# KiCad board solderCurved.kicad_pcb (continued)
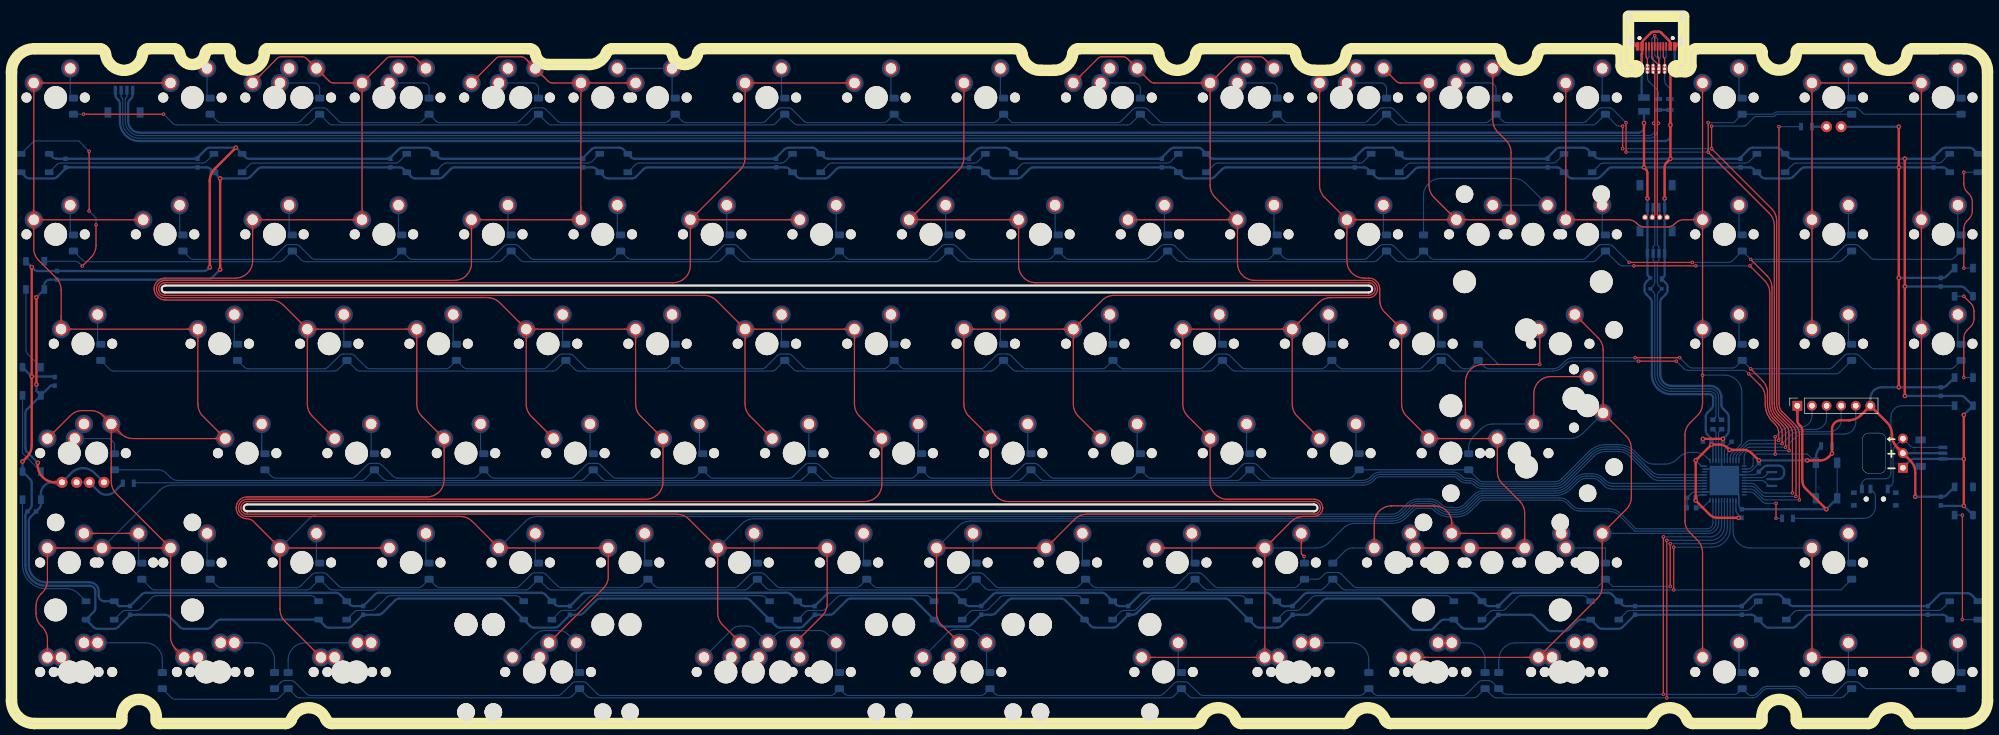
[diagram p0: board, top side]
## Copper pours and planes (outline as drawn; the poured copper is in the pictures) (continued)
Col7 on Top: 292,87.61 292.1,87.61 292.2,87.61 292.28,87.6 292.37,87.59 292.44,87.57 292.52,87.55 292.58,87.53 292.65,87.51 292.71,87.48 292.76,87.45 292.82,87.42 292.87,87.39 292.92,87.35 292.96,87.32 293.39,86.94 293.45,86.89 293.51,86.85 293.57,86.81 293.64,86.76 293.71,86.72 293.78,86.68 293.87,86.63 294.99,87.71 293.87,88.79 293.78,88.75 293.71,88.71 293.64,88.67 293.57,88.62 293.51,88.58 293.45,88.54 293.39,88.49 292.96,88.11 292.92,88.08 292.87,88.04 292.82,88.01 292.76,87.98 292.71,87.95 292.65,87.92 292.58,87.9 292.52,87.88 292.44,87.86 292.37,87.84 292.28,87.83 292.2,87.82 292.1,87.82 292,87.81
Col7 on Top: 294.29,13.9 294.29,13.8 294.28,13.71 294.27,13.62 294.26,13.54 294.24,13.46 294.23,13.39 294.21,13.32 294.18,13.26 294.15,13.2 294.13,13.14 294.09,13.09 294.06,13.04 294.03,12.99 293.99,12.94 293.61,12.51 293.57,12.46 293.52,12.4 293.48,12.33 293.44,12.27 293.39,12.2 293.35,12.12 293.31,12.04 294.39,10.91 295.47,12.04 295.43,12.12 295.39,12.2 295.34,12.27 295.3,12.33 295.25,12.4 295.21,12.46 295.17,12.51 294.79,12.94 294.75,12.99 294.72,13.04 294.68,13.09 294.65,13.14 294.62,13.2 294.6,13.26 294.57,13.32 294.55,13.39 294.53,13.46 294.52,13.54 294.51,13.62 294.5,13.71 294.49,13.8 294.49,13.9
Col7 on Top: 294.49,66.27 294.49,66.38 294.5,66.47 294.51,66.56 294.52,66.64 294.53,66.72 294.55,66.79 294.57,66.86 294.6,66.92 294.62,66.98 294.65,67.04 294.68,67.09 294.72,67.14 294.75,67.19 294.79,67.24 295.17,67.67 295.21,67.72 295.25,67.78 295.3,67.85 295.34,67.91 295.39,67.98 295.43,68.06 295.47,68.14 294.39,69.26 293.31,68.14 293.35,68.06 293.39,67.98 293.44,67.91 293.48,67.85 293.52,67.78 293.57,67.72 293.61,67.67 293.99,67.24 294.03,67.19 294.06,67.14 294.09,67.09 294.13,67.04 294.15,66.98 294.18,66.92 294.21,66.86 294.23,66.79 294.24,66.72 294.26,66.64 294.27,66.56 294.28,66.47 294.29,66.38 294.29,66.27
Col7 on Top: 294.29,90.1 294.29,90 294.28,89.91 294.27,89.82 294.26,89.74 294.24,89.66 294.23,89.59 294.21,89.52 294.18,89.46 294.15,89.4 294.13,89.34 294.09,89.29 294.06,89.24 294.03,89.19 293.99,89.14 293.61,88.71 293.57,88.66 293.52,88.6 293.48,88.53 293.44,88.47 293.39,88.4 293.35,88.32 293.31,88.24 294.39,87.11 295.47,88.24 295.43,88.32 295.39,88.4 295.34,88.47 295.3,88.53 295.25,88.6 295.21,88.66 295.17,88.71 294.79,89.14 294.75,89.19 294.72,89.24 294.68,89.29 294.65,89.34 294.62,89.4 294.6,89.46 294.57,89.52 294.55,89.59 294.53,89.66 294.52,89.74 294.51,89.82 294.5,89.91 294.49,90 294.49,90.1
Col7 on Top: 294.29,71.05 294.29,70.95 294.28,70.86 294.27,70.77 294.26,70.69 294.24,70.61 294.23,70.54 294.21,70.47 294.18,70.41 294.15,70.35 294.13,70.29 294.09,70.24 294.06,70.19 294.03,70.14 293.99,70.09 293.61,69.66 293.57,69.61 293.52,69.55 293.48,69.48 293.44,69.42 293.39,69.35 293.35,69.27 293.31,69.19 294.39,68.06 295.47,69.19 295.43,69.27 295.39,69.35 295.34,69.42 295.3,69.48 295.25,69.55 295.21,69.61 295.17,69.66 294.79,70.09 294.75,70.14 294.72,70.19 294.68,70.24 294.65,70.29 294.62,70.35 294.6,70.41 294.57,70.47 294.55,70.54 294.53,70.61 294.52,70.69 294.51,70.77 294.5,70.86 294.49,70.95 294.49,71.05
Col7 on Top: 294.49,85.32 294.49,85.43 294.5,85.52 294.51,85.61 294.52,85.69 294.53,85.77 294.55,85.84 294.57,85.91 294.6,85.97 294.62,86.03 294.65,86.09 294.68,86.14 294.72,86.19 294.75,86.24 294.79,86.29 295.17,86.72 295.21,86.77 295.25,86.83 295.3,86.9 295.34,86.96 295.39,87.03 295.43,87.11 295.47,87.19 294.39,88.31 293.31,87.19 293.35,87.11 293.39,87.03 293.44,86.96 293.48,86.9 293.52,86.83 293.57,86.77 293.61,86.72 293.99,86.29 294.03,86.24 294.06,86.19 294.09,86.14 294.13,86.09 294.15,86.03 294.18,85.97 294.21,85.91 294.23,85.84 294.24,85.77 294.26,85.69 294.27,85.61 294.28,85.52 294.29,85.43 294.29,85.32
Col7 on Top: 272.97,87.81 272.86,87.82 272.77,87.82 272.68,87.83 272.6,87.84 272.52,87.86 272.45,87.88 272.38,87.9 272.32,87.92 272.26,87.95 272.2,87.98 272.15,88.01 272.1,88.04 272.05,88.08 272,88.11 271.57,88.49 271.52,88.54 271.46,88.58 271.4,88.62 271.33,88.67 271.26,88.71 271.18,88.75 271.1,88.79 269.98,87.71 271.1,86.63 271.18,86.68 271.26,86.72 271.33,86.76 271.4,86.81 271.46,86.85 271.52,86.89 271.57,86.94 272,87.32 272.05,87.35 272.1,87.39 272.15,87.42 272.2,87.45 272.26,87.48 272.32,87.51 272.38,87.53 272.45,87.55 272.52,87.57 272.6,87.59 272.68,87.6 272.77,87.61 272.86,87.61 272.97,87.61
Col7 on Top: 270.48,90.1 270.47,90 270.47,89.91 270.46,89.82 270.45,89.74 270.43,89.66 270.41,89.59 270.39,89.52 270.37,89.46 270.34,89.4 270.31,89.34 270.28,89.29 270.25,89.24 270.21,89.19 270.18,89.14 269.8,88.71 269.76,88.66 269.71,88.6 269.67,88.53 269.62,88.47 269.58,88.4 269.54,88.32 269.5,88.24 270.58,87.11 271.66,88.24 271.62,88.32 271.57,88.4 271.53,88.47 271.49,88.53 271.44,88.6 271.4,88.66 271.35,88.71 270.97,89.14 270.94,89.19 270.9,89.24 270.87,89.29 270.84,89.34 270.81,89.4 270.78,89.46 270.76,89.52 270.74,89.59 270.72,89.66 270.71,89.74 270.69,89.82 270.68,89.91 270.68,90 270.68,90.1
Col7 on Top: 294.49,109.14 294.49,109.24 294.5,109.33 294.51,109.42 294.52,109.51 294.53,109.58 294.55,109.65 294.57,109.72 294.6,109.79 294.62,109.85 294.65,109.9 294.68,109.96 294.72,110.01 294.75,110.06 294.79,110.1 295.17,110.53 295.21,110.59 295.25,110.65 295.3,110.71 295.34,110.77 295.39,110.85 295.43,110.92 295.47,111 294.39,112.13 293.31,111 293.35,110.92 293.39,110.85 293.44,110.77 293.48,110.71 293.52,110.65 293.57,110.59 293.61,110.53 293.99,110.1 294.03,110.06 294.06,110.01 294.09,109.96 294.13,109.9 294.15,109.85 294.18,109.79 294.21,109.72 294.23,109.65 294.24,109.58 294.26,109.51 294.27,109.42 294.28,109.33 294.29,109.24 294.29,109.14
Col8 on Top: 313.34,71.05 313.34,70.95 313.33,70.86 313.32,70.77 313.31,70.69 313.29,70.61 313.28,70.54 313.26,70.47 313.23,70.41 313.2,70.35 313.18,70.29 313.14,70.24 313.11,70.19 313.08,70.14 313.04,70.09 312.66,69.66 312.62,69.61 312.57,69.55 312.53,69.48 312.49,69.42 312.44,69.35 312.4,69.27 312.36,69.19 313.44,68.06 314.52,69.19 314.48,69.27 314.44,69.35 314.39,69.42 314.35,69.48 314.3,69.55 314.26,69.61 314.22,69.66 313.84,70.09 313.8,70.14 313.77,70.19 313.73,70.24 313.7,70.29 313.67,70.35 313.65,70.41 313.62,70.47 313.6,70.54 313.58,70.61 313.57,70.69 313.56,70.77 313.55,70.86 313.54,70.95 313.54,71.05
Col8 on Top: 332.59,109.14 332.59,109.24 332.6,109.33 332.61,109.42 332.62,109.51 332.63,109.58 332.65,109.65 332.67,109.72 332.7,109.79 332.72,109.85 332.75,109.9 332.78,109.96 332.82,110.01 332.85,110.06 332.89,110.1 333.27,110.53 333.31,110.59 333.35,110.65 333.4,110.71 333.44,110.77 333.49,110.85 333.53,110.92 333.57,111 332.49,112.13 331.41,111 331.45,110.92 331.49,110.85 331.54,110.77 331.58,110.71 331.62,110.65 331.67,110.59 331.71,110.53 332.09,110.1 332.13,110.06 332.16,110.01 332.19,109.96 332.23,109.9 332.25,109.85 332.28,109.79 332.31,109.72 332.33,109.65 332.34,109.58 332.36,109.51 332.37,109.42 332.38,109.33 332.39,109.24 332.39,109.14
Col8 on Top: 313.54,85.32 313.54,85.43 313.55,85.52 313.56,85.61 313.57,85.69 313.58,85.77 313.6,85.84 313.62,85.91 313.65,85.97 313.67,86.03 313.7,86.09 313.73,86.14 313.77,86.19 313.8,86.24 313.84,86.29 314.22,86.72 314.26,86.77 314.3,86.83 314.35,86.9 314.39,86.96 314.44,87.03 314.48,87.11 314.52,87.19 313.44,88.31 312.36,87.19 312.4,87.11 312.44,87.03 312.49,86.96 312.53,86.9 312.57,86.83 312.62,86.77 312.66,86.72 313.04,86.29 313.08,86.24 313.11,86.19 313.14,86.14 313.18,86.09 313.2,86.03 313.23,85.97 313.26,85.91 313.28,85.84 313.29,85.77 313.31,85.69 313.32,85.61 313.33,85.52 313.34,85.43 313.34,85.32
Col8 on Top: 313.54,28.17 313.54,28.28 313.55,28.37 313.56,28.46 313.57,28.54 313.58,28.62 313.6,28.69 313.62,28.76 313.65,28.82 313.67,28.88 313.7,28.94 313.73,28.99 313.77,29.04 313.8,29.09 313.84,29.14 314.22,29.57 314.26,29.62 314.3,29.68 314.35,29.75 314.39,29.81 314.44,29.88 314.48,29.96 314.52,30.04 313.44,31.16 312.36,30.04 312.4,29.96 312.44,29.88 312.49,29.81 312.53,29.75 312.57,29.68 312.62,29.62 312.66,29.57 313.04,29.14 313.08,29.09 313.11,29.04 313.14,28.99 313.18,28.94 313.2,28.88 313.23,28.82 313.26,28.76 313.28,28.69 313.29,28.62 313.31,28.54 313.32,28.46 313.33,28.37 313.34,28.28 313.34,28.17
Col8 on Top: 330.1,11.41 330.2,11.41 330.3,11.41 330.38,11.4 330.47,11.39 330.54,11.37 330.62,11.35 330.68,11.33 330.75,11.31 330.81,11.28 330.86,11.25 330.92,11.22 330.97,11.19 331.02,11.15 331.06,11.12 331.49,10.74 331.55,10.69 331.61,10.65 331.67,10.61 331.74,10.56 331.81,10.52 331.88,10.48 331.97,10.43 333.09,11.51 331.97,12.59 331.88,12.55 331.81,12.51 331.74,12.47 331.67,12.42 331.61,12.38 331.55,12.34 331.49,12.29 331.06,11.91 331.02,11.88 330.97,11.84 330.92,11.81 330.86,11.78 330.81,11.75 330.75,11.72 330.68,11.7 330.62,11.68 330.54,11.66 330.47,11.64 330.38,11.63 330.3,11.62 330.2,11.62 330.1,11.61
Col8 on Top: 332.59,85.32 332.59,85.43 332.6,85.52 332.61,85.61 332.62,85.69 332.63,85.77 332.65,85.84 332.67,85.91 332.7,85.97 332.72,86.03 332.75,86.09 332.78,86.14 332.82,86.19 332.85,86.24 332.89,86.29 333.27,86.72 333.31,86.77 333.35,86.83 333.4,86.9 333.44,86.96 333.49,87.03 333.53,87.11 333.57,87.19 332.49,88.31 331.41,87.19 331.45,87.11 331.49,87.03 331.54,86.96 331.58,86.9 331.62,86.83 331.67,86.77 331.71,86.72 332.09,86.29 332.13,86.24 332.16,86.19 332.19,86.14 332.23,86.09 332.25,86.03 332.28,85.97 332.31,85.91 332.33,85.84 332.34,85.77 332.36,85.69 332.37,85.61 332.38,85.52 332.39,85.43 332.39,85.32
Col8 on Top: 332.39,90.1 332.39,90 332.38,89.91 332.37,89.82 332.36,89.74 332.34,89.66 332.33,89.59 332.31,89.52 332.28,89.46 332.25,89.4 332.23,89.34 332.19,89.29 332.16,89.24 332.13,89.19 332.09,89.14 331.71,88.71 331.67,88.66 331.62,88.6 331.58,88.53 331.54,88.47 331.49,88.4 331.45,88.32 331.41,88.24 332.49,87.11 333.57,88.24 333.53,88.32 333.49,88.4 333.44,88.47 333.4,88.53 333.35,88.6 333.31,88.66 333.27,88.71 332.89,89.14 332.85,89.19 332.82,89.24 332.78,89.29 332.75,89.34 332.72,89.4 332.7,89.46 332.67,89.52 332.65,89.59 332.63,89.66 332.62,89.74 332.61,89.82 332.6,89.91 332.59,90 332.59,90.1
Col8 on Top: 313.54,109.14 313.54,109.24 313.55,109.33 313.56,109.42 313.57,109.51 313.58,109.58 313.6,109.65 313.62,109.72 313.65,109.79 313.67,109.85 313.7,109.9 313.73,109.96 313.77,110.01 313.8,110.06 313.84,110.1 314.22,110.53 314.26,110.59 314.3,110.65 314.35,110.71 314.39,110.77 314.44,110.85 314.48,110.92 314.52,111 313.44,112.13 312.36,111 312.4,110.92 312.44,110.85 312.49,110.77 312.53,110.71 312.57,110.65 312.62,110.59 312.66,110.53 313.04,110.1 313.08,110.06 313.11,110.01 313.14,109.96 313.18,109.9 313.2,109.85 313.23,109.79 313.26,109.72 313.28,109.65 313.29,109.58 313.31,109.51 313.32,109.42 313.33,109.33 313.34,109.24 313.34,109.14
Col8 on Top: 315.83,11.61 315.73,11.62 315.63,11.62 315.54,11.63 315.46,11.64 315.38,11.66 315.31,11.68 315.24,11.7 315.18,11.72 315.12,11.75 315.06,11.78 315.01,11.81 314.96,11.84 314.91,11.88 314.86,11.91 314.44,12.29 314.38,12.34 314.32,12.38 314.26,12.42 314.19,12.47 314.12,12.51 314.04,12.55 313.96,12.59 312.84,11.51 313.96,10.43 314.04,10.48 314.12,10.52 314.19,10.56 314.26,10.61 314.32,10.65 314.38,10.69 314.44,10.74 314.86,11.12 314.91,11.15 314.96,11.19 315.01,11.22 315.06,11.25 315.12,11.28 315.18,11.31 315.24,11.33 315.31,11.35 315.38,11.37 315.46,11.39 315.54,11.4 315.63,11.41 315.73,11.41 315.83,11.41
Col8 on Top: 330.1,111.43 330.2,111.43 330.3,111.42 330.38,111.41 330.47,111.4 330.54,111.38 330.62,111.36 330.68,111.34 330.75,111.32 330.81,111.29 330.86,111.26 330.92,111.23 330.97,111.2 331.02,111.17 331.06,111.13 331.49,110.75 331.55,110.71 331.61,110.66 331.67,110.62 331.74,110.57 331.81,110.53 331.88,110.49 331.97,110.45 333.09,111.53 331.97,112.61 331.88,112.57 331.81,112.52 331.74,112.48 331.67,112.44 331.61,112.39 331.55,112.35 331.49,112.3 331.06,111.93 331.02,111.89 330.97,111.85 330.92,111.82 330.86,111.79 330.81,111.76 330.75,111.73 330.68,111.71 330.62,111.69 330.54,111.67 330.47,111.66 330.38,111.64 330.3,111.63 330.2,111.63 330.1,111.63
Col8 on Top: 332.39,13.9 332.39,13.8 332.38,13.71 332.37,13.62 332.36,13.54 332.34,13.46 332.33,13.39 332.31,13.32 332.28,13.26 332.25,13.2 332.23,13.14 332.19,13.09 332.16,13.04 332.13,12.99 332.09,12.94 331.71,12.51 331.67,12.46 331.62,12.4 331.58,12.33 331.54,12.27 331.49,12.2 331.45,12.12 331.41,12.04 332.49,10.91 333.57,12.04 333.53,12.12 333.49,12.2 333.44,12.27 333.4,12.33 333.35,12.4 333.31,12.46 333.27,12.51 332.89,12.94 332.85,12.99 332.82,13.04 332.78,13.09 332.75,13.14 332.72,13.2 332.7,13.26 332.67,13.32 332.65,13.39 332.63,13.46 332.62,13.54 332.61,13.62 332.6,13.71 332.59,13.8 332.59,13.9
Col8 on Top: 332.59,66.27 332.59,66.38 332.6,66.47 332.61,66.56 332.62,66.64 332.63,66.72 332.65,66.79 332.67,66.86 332.7,66.92 332.72,66.98 332.75,67.04 332.78,67.09 332.82,67.14 332.85,67.19 332.89,67.24 333.27,67.67 333.31,67.72 333.35,67.78 333.4,67.85 333.44,67.91 333.49,67.98 333.53,68.06 333.57,68.14 332.49,69.26 331.41,68.14 331.45,68.06 331.49,67.98 331.54,67.91 331.58,67.85 331.62,67.78 331.67,67.72 331.71,67.67 332.09,67.24 332.13,67.19 332.16,67.14 332.19,67.09 332.23,67.04 332.25,66.98 332.28,66.92 332.31,66.86 332.33,66.79 332.34,66.72 332.36,66.64 332.37,66.56 332.38,66.47 332.39,66.38 332.39,66.27
Col8 on Top: 313.34,90.1 313.34,90 313.33,89.91 313.32,89.82 313.31,89.74 313.29,89.66 313.28,89.59 313.26,89.52 313.23,89.46 313.2,89.4 313.18,89.34 313.14,89.29 313.11,89.24 313.08,89.19 313.04,89.14 312.66,88.71 312.62,88.66 312.57,88.6 312.53,88.53 312.49,88.47 312.44,88.4 312.4,88.32 312.36,88.24 313.44,87.11 314.52,88.24 314.48,88.32 314.44,88.4 314.39,88.47 314.35,88.53 314.3,88.6 314.26,88.66 314.22,88.71 313.84,89.14 313.8,89.19 313.77,89.24 313.73,89.29 313.7,89.34 313.67,89.4 313.65,89.46 313.62,89.52 313.6,89.59 313.58,89.66 313.57,89.74 313.56,89.82 313.55,89.91 313.54,90 313.54,90.1
Col8 on Top: 332.39,71.05 332.39,70.95 332.38,70.86 332.37,70.77 332.36,70.69 332.34,70.61 332.33,70.54 332.31,70.47 332.28,70.41 332.25,70.35 332.23,70.29 332.19,70.24 332.16,70.19 332.13,70.14 332.09,70.09 331.71,69.66 331.67,69.61 331.62,69.55 331.58,69.48 331.54,69.42 331.49,69.35 331.45,69.27 331.41,69.19 332.49,68.06 333.57,69.19 333.53,69.27 333.49,69.35 333.44,69.42 333.4,69.48 333.35,69.55 333.31,69.61 333.27,69.66 332.89,70.09 332.85,70.14 332.82,70.19 332.78,70.24 332.75,70.29 332.72,70.35 332.7,70.41 332.67,70.47 332.65,70.54 332.63,70.61 332.62,70.69 332.61,70.77 332.6,70.86 332.59,70.95 332.59,71.05
Col8 on Top: 313.34,13.9 313.34,13.8 313.33,13.71 313.32,13.62 313.31,13.54 313.29,13.46 313.28,13.39 313.26,13.32 313.23,13.26 313.2,13.2 313.18,13.14 313.14,13.09 313.11,13.04 313.08,12.99 313.04,12.94 312.66,12.51 312.62,12.46 312.57,12.4 312.53,12.33 312.49,12.27 312.44,12.2 312.4,12.12 312.36,12.04 313.44,10.91 314.52,12.04 314.48,12.12 314.44,12.2 314.39,12.27 314.35,12.33 314.3,12.4 314.26,12.46 314.22,12.51 313.84,12.94 313.8,12.99 313.77,13.04 313.73,13.09 313.7,13.14 313.67,13.2 313.65,13.26 313.62,13.32 313.6,13.39 313.58,13.46 313.57,13.54 313.56,13.62 313.55,13.71 313.54,13.8 313.54,13.9
Col8 on Top: 315.83,111.63 315.73,111.63 315.63,111.63 315.54,111.64 315.46,111.66 315.38,111.67 315.31,111.69 315.24,111.71 315.18,111.73 315.12,111.76 315.06,111.79 315.01,111.82 314.96,111.85 314.91,111.89 314.86,111.93 314.44,112.3 314.38,112.35 314.32,112.39 314.26,112.44 314.19,112.48 314.12,112.52 314.04,112.57 313.96,112.61 312.84,111.53 313.96,110.45 314.04,110.49 314.12,110.53 314.19,110.57 314.26,110.62 314.32,110.66 314.38,110.71 314.44,110.75 314.86,111.13 314.91,111.17 314.96,111.2 315.01,111.23 315.06,111.26 315.12,111.29 315.18,111.32 315.24,111.34 315.31,111.36 315.38,111.38 315.46,111.4 315.54,111.41 315.63,111.42 315.73,111.43 315.83,111.43
Col8 on Bottom: 311.05,30.46 311.15,30.46 311.25,30.46 311.33,30.45 311.42,30.44 311.49,30.42 311.57,30.4 311.63,30.38 311.7,30.36 311.76,30.33 311.81,30.3 311.87,30.27 311.92,30.24 311.97,30.2 312.01,30.17 312.44,29.79 312.5,29.74 312.56,29.7 312.62,29.66 312.69,29.61 312.76,29.57 312.83,29.53 312.92,29.48 314.04,30.56 312.92,31.64 312.83,31.6 312.76,31.56 312.69,31.52 312.62,31.47 312.56,31.43 312.5,31.39 312.44,31.34 312.01,30.96 311.97,30.93 311.92,30.89 311.87,30.86 311.81,30.83 311.76,30.8 311.7,30.77 311.63,30.75 311.57,30.73 311.49,30.71 311.42,30.69 311.33,30.68 311.25,30.67 311.15,30.67 311.05,30.66
Col8 on Bottom: 310.25,30.46 310.39,30.46 310.51,30.45 310.63,30.44 310.74,30.42 310.85,30.4 310.94,30.38 311.03,30.35 311.12,30.32 311.2,30.28 311.27,30.24 311.34,30.2 311.41,30.15 311.48,30.1 311.54,30.05 311.6,30 311.66,29.95 311.97,29.66 312.04,29.6 312.11,29.54 312.18,29.48 312.26,29.42 312.34,29.36 312.43,29.3 312.53,29.24 312.63,29.18 312.74,29.12 314.24,30.56 312.74,32 312.63,31.95 312.53,31.89 312.43,31.83 312.34,31.77 312.26,31.71 312.18,31.65 312.11,31.59 312.04,31.53 311.97,31.47 311.66,31.18 311.6,31.13 311.54,31.08 311.48,31.03 311.41,30.98 311.34,30.93 311.27,30.89 311.2,30.85 311.12,30.81 311.03,30.78 310.94,30.75 310.85,30.73 310.74,30.7 310.63,30.69 310.51,30.67 310.39,30.67 310.25,30.66
DG+ on Bottom: 286.83,89.13 286.48,88.35 286.93,87.89 287.38,88.35 287.03,89.13
DG- on Bottom: 285.56,89.13 285.21,88.35 285.66,87.89 286.11,88.35 285.76,89.13
LedBar on Bottom: 328.15,48.35 328.2,48.4 328.25,48.44 328.3,48.48 328.35,48.52 328.39,48.55 328.44,48.58 328.48,48.6 328.52,48.62 328.57,48.64 329.38,48.76 329.43,48.77 329.49,48.79 329.55,48.81 329.57,49.92 328.47,49.89 328.45,49.83 328.43,49.77 328.42,49.72 328.3,48.91 328.28,48.86 328.26,48.82 328.24,48.78 328.21,48.73 328.18,48.69 328.14,48.64 328.1,48.59 328.06,48.54 328.01,48.49
LedBar on Bottom: 330.54,48.49 330.49,48.54 330.45,48.59 330.41,48.64 330.37,48.69 330.34,48.73 330.31,48.78 330.29,48.82 330.27,48.86 330.25,48.91 330.13,49.72 330.11,49.77 330.1,49.83 330.08,49.89 328.97,49.92 329,48.81 329.06,48.79 329.11,48.77 329.17,48.76 329.98,48.64 330.02,48.62 330.07,48.6 330.11,48.58 330.16,48.55 330.2,48.52 330.25,48.48 330.3,48.44 330.35,48.4 330.4,48.35
MISO on Bottom: 87.9,81.5 87.55,82.47 86.77,82.49 86.79,81.71 87.76,81.36
MISO on Bottom: 319.58,81.36 320.54,81.71 320.56,82.49 319.78,82.47 319.44,81.5
MISO on Bottom: 11.7,81.5 11.35,82.47 10.57,82.49 10.59,81.71 11.56,81.36
MISO on Bottom: 200.51,81.36 201.48,81.71 201.5,82.49 200.72,82.47 200.37,81.5
MISO on Bottom: 278.4,81.5 278.05,82.47 277.27,82.49 277.29,81.71 278.26,81.36
MISO on Bottom: 49.8,81.5 49.45,82.47 48.67,82.49 48.69,81.71 49.66,81.36
MISO on Bottom: 240.3,81.5 239.95,82.47 239.17,82.49 239.19,81.71 240.16,81.36
MISO on Bottom: 238.61,81.36 239.58,81.71 239.6,82.49 238.82,82.47 238.47,81.5
MISO on Bottom: 202.2,81.5 201.85,82.47 201.07,82.49 201.09,81.71 202.06,81.36
MISO on Bottom: 86.21,81.36 87.18,81.71 87.2,82.49 86.42,82.47 86.07,81.5
MISO on Bottom: 276.71,81.36 277.68,81.71 277.7,82.49 276.92,82.47 276.57,81.5
MISO on Bottom: 164.1,81.5 163.75,82.47 162.97,82.49 162.99,81.71 163.96,81.36
MISO on Bottom: 321.16,53.64 321.16,53.71 321.16,53.78 321.17,53.84 321.18,53.9 321.19,53.95 321.2,54 321.22,54.05 321.23,54.1 321.25,54.14 321.74,54.8 321.77,54.85 321.8,54.9 321.82,54.96 321.06,55.75 320.29,54.96 320.32,54.9 320.35,54.85 320.38,54.8 320.87,54.14 320.89,54.1 320.9,54.05 320.92,54 320.93,53.95 320.94,53.9 320.95,53.84 320.95,53.78 320.96,53.71 320.96,53.64
MISO on Bottom: 162.41,81.36 163.38,81.71 163.4,82.49 162.62,82.47 162.27,81.5
MISO on Bottom: 124.31,81.36 125.28,81.71 125.3,82.49 124.52,82.47 124.17,81.5
MISO on Bottom: 126,81.5 125.65,82.47 124.87,82.49 124.89,81.71 125.86,81.36
MISO on Bottom: 48.11,81.36 49.08,81.71 49.1,82.49 48.32,82.47 47.97,81.5
MOSI on Bottom: 338.63,62.31 339.59,62.66 339.61,63.44 338.83,63.42 338.49,62.45
MOSI on Bottom: 116.47,62.45 116.13,63.42 115.35,63.44 115.36,62.66 116.33,62.31
MOSI on Bottom: 40.27,62.45 39.93,63.42 39.15,63.44 39.16,62.66 40.13,62.31
MOSI on Bottom: 300.53,62.31 301.49,62.66 301.51,63.44 300.73,63.42 300.39,62.45
MOSI on Bottom: 229.09,62.31 230.06,62.66 230.07,63.44 229.29,63.42 228.95,62.45
MOSI on Bottom: 154.57,62.45 154.23,63.42 153.45,63.44 153.46,62.66 154.43,62.31
MOSI on Bottom: 152.89,62.31 153.86,62.66 153.87,63.44 153.09,63.42 152.75,62.45
MOSI on Bottom: 318.62,53.64 318.62,53.71 318.62,53.78 318.63,53.84 318.64,53.9 318.65,53.95 318.66,54 318.68,54.05 318.69,54.1 318.71,54.14 319.2,54.8 319.23,54.85 319.26,54.9 319.28,54.96 318.52,55.75 317.75,54.96 317.78,54.9 317.81,54.85 317.84,54.8 318.33,54.14 318.35,54.1 318.36,54.05 318.38,54 318.39,53.95 318.4,53.9 318.41,53.84 318.41,53.78 318.42,53.71 318.42,53.64
MOSI on Bottom: 256.25,62.45 255.9,63.42 255.12,63.44 255.14,62.66 256.11,62.31
MOSI on Bottom: 190.99,62.31 191.96,62.66 191.97,63.44 191.19,63.42 190.85,62.45
MOSI on Bottom: 78.37,62.45 78.03,63.42 77.25,63.44 77.26,62.66 78.23,62.31
MOSI on Bottom: 230.77,62.45 230.43,63.42 229.65,63.44 229.66,62.66 230.63,62.31
MOSI on Bottom: 302.21,62.45 301.86,63.42 301.09,63.44 301.1,62.66 302.07,62.31
MOSI on Bottom: 192.67,62.45 192.33,63.42 191.55,63.44 191.56,62.66 192.53,62.31
MOSI on Bottom: 254.57,62.31 255.53,62.66 255.55,63.44 254.77,63.42 254.42,62.45
MOSI on Bottom: 76.69,62.31 77.66,62.66 77.67,63.44 76.89,63.42 76.55,62.45
MOSI on Bottom: 114.79,62.31 115.76,62.66 115.77,63.44 114.99,63.42 114.65,62.45
R0 on Bottom: 319.16,105.99 320.09,105.55 320.65,106.09 320.09,106.63 319.16,106.19
R0 on Bottom: 90.98,105.17 91.94,105.52 91.96,106.3 91.18,106.28 90.84,105.32
R0 on Bottom: 195.75,105.17 196.72,105.52 196.74,106.3 195.96,106.28 195.61,105.32
R0 on Bottom: 197.44,105.32 197.09,106.28 196.31,106.3 196.33,105.52 197.29,105.17
R0 on Bottom: 276.71,105.17 277.68,105.52 277.7,106.3 276.92,106.28 276.57,105.32
R0 on Bottom: 11.98,106.19 11.05,106.63 10.49,106.09 11.05,105.55 11.98,105.99
R0 on Bottom: 135.52,105.32 135.18,106.28 134.4,106.3 134.41,105.52 135.38,105.17
R0 on Bottom: 278.4,105.32 278.05,106.28 277.27,106.3 277.29,105.52 278.26,105.17
R0 on Bottom: 238.61,105.17 239.58,105.52 239.6,106.3 238.82,106.28 238.47,105.32
R0 on Bottom: 92.66,105.32 92.31,106.28 91.54,106.3 91.55,105.52 92.52,105.17
R0 on Bottom: 52.88,105.17 53.84,105.52 53.86,106.3 53.08,106.28 52.74,105.32
R0 on Bottom: 133.84,105.17 134.81,105.52 134.82,106.3 134.04,106.28 133.7,105.32
R0 on Bottom: 240.3,105.32 239.95,106.28 239.17,106.3 239.19,105.52 240.16,105.17
R0 on Bottom: 54.56,105.32 54.21,106.28 53.44,106.3 53.45,105.52 54.42,105.17
R1 on Bottom: 302.49,106.19 301.56,106.63 301,106.09 301.56,105.55 302.49,105.99
R1 on Bottom: 114.79,105.17 115.76,105.52 115.77,106.3 114.99,106.28 114.65,105.32
R1 on Bottom: 300.53,105.17 301.49,105.52 301.51,106.3 300.73,106.28 300.39,105.32
R1 on Bottom: 116.47,105.32 116.13,106.28 115.35,106.3 115.36,105.52 116.33,105.17
R1 on Bottom: 73.61,105.32 73.26,106.28 72.49,106.3 72.5,105.52 73.47,105.17
R1 on Bottom: 71.93,105.17 72.89,105.52 72.91,106.3 72.13,106.28 71.79,105.32
R1 on Bottom: 154.57,105.32 154.23,106.28 153.45,106.3 153.46,105.52 154.43,105.17
R1 on Bottom: 338.21,105.99 339.14,105.55 339.7,106.09 339.14,106.63 338.21,106.19
R1 on Bottom: 219.56,105.17 220.53,105.52 220.55,106.3 219.77,106.28 219.42,105.32
R1 on Bottom: 171.94,105.17 172.91,105.52 172.92,106.3 172.14,106.28 171.8,105.32
R1 on Bottom: 221.25,105.32 220.9,106.28 220.12,106.3 220.14,105.52 221.11,105.17
R1 on Bottom: 257.66,105.17 258.63,105.52 258.65,106.3 257.87,106.28 257.52,105.32
R1 on Bottom: 152.89,105.17 153.86,105.52 153.87,106.3 153.09,106.28 152.75,105.32
R1 on Bottom: 259.35,105.32 259,106.28 258.22,106.3 258.24,105.52 259.21,105.17
R1 on Bottom: 173.62,105.32 173.28,106.28 172.5,106.3 172.51,105.52 173.48,105.17
R1 on Bottom: 35.51,105.32 35.16,106.28 34.39,106.3 34.4,105.52 35.37,105.17
R3 on Bottom: 338.63,81.36 339.59,81.71 339.61,82.49 338.83,82.47 338.49,81.5
R3 on Bottom: 106.95,81.5 106.6,82.47 105.82,82.49 105.84,81.71 106.81,81.36
R3 on Bottom: 221.25,81.5 220.9,82.47 220.12,82.49 220.14,81.71 221.11,81.36
R3 on Bottom: 68.85,81.5 68.5,82.47 67.72,82.49 67.74,81.71 68.71,81.36
R3 on Bottom: 302.21,81.5 301.86,82.47 301.09,82.49 301.1,81.71 302.07,81.36
R3 on Bottom: 181.46,81.36 182.43,81.71 182.45,82.49 181.67,82.47 181.32,81.5
R3 on Bottom: 300.53,81.36 301.49,81.71 301.51,82.49 300.73,82.47 300.39,81.5
R3 on Bottom: 183.15,81.5 182.8,82.47 182.02,82.49 182.04,81.71 183.01,81.36
R3 on Bottom: 245.04,81.36 246.01,81.71 246.02,82.49 245.24,82.47 244.9,81.5
R3 on Bottom: 143.36,81.36 144.33,81.71 144.35,82.49 143.57,82.47 143.22,81.5
R3 on Bottom: 67.16,81.36 68.13,81.71 68.15,82.49 67.37,82.47 67.02,81.5
R3 on Bottom: 219.56,81.36 220.53,81.71 220.55,82.49 219.77,82.47 219.42,81.5
R3 on Bottom: 145.05,81.5 144.7,82.47 143.92,82.49 143.94,81.71 144.91,81.36
R3 on Bottom: 30.75,81.5 30.4,82.47 29.62,82.49 29.64,81.71 30.61,81.36
R3 on Bottom: 105.26,81.36 106.23,81.71 106.25,82.49 105.47,82.47 105.12,81.5
